# Altium PCB SpaceLiin_Satellite_4U_Laser_Internal_External_V1.0.0.PcbDoc (part 2 of 2)
Units mm, origin at the board's own origin, x right, y up, seen from the top; angles counter-clockwise.
Board outline 82 x 80 mm, 4 copper layers (L1_TOP, L2_GND, L3_SIGNAL, L4_BOT), stack 1.584 mm thick; 227 components, 117 nets, 668 pads, 121 vias.
Unrouted connection lines stored in the file: 204.
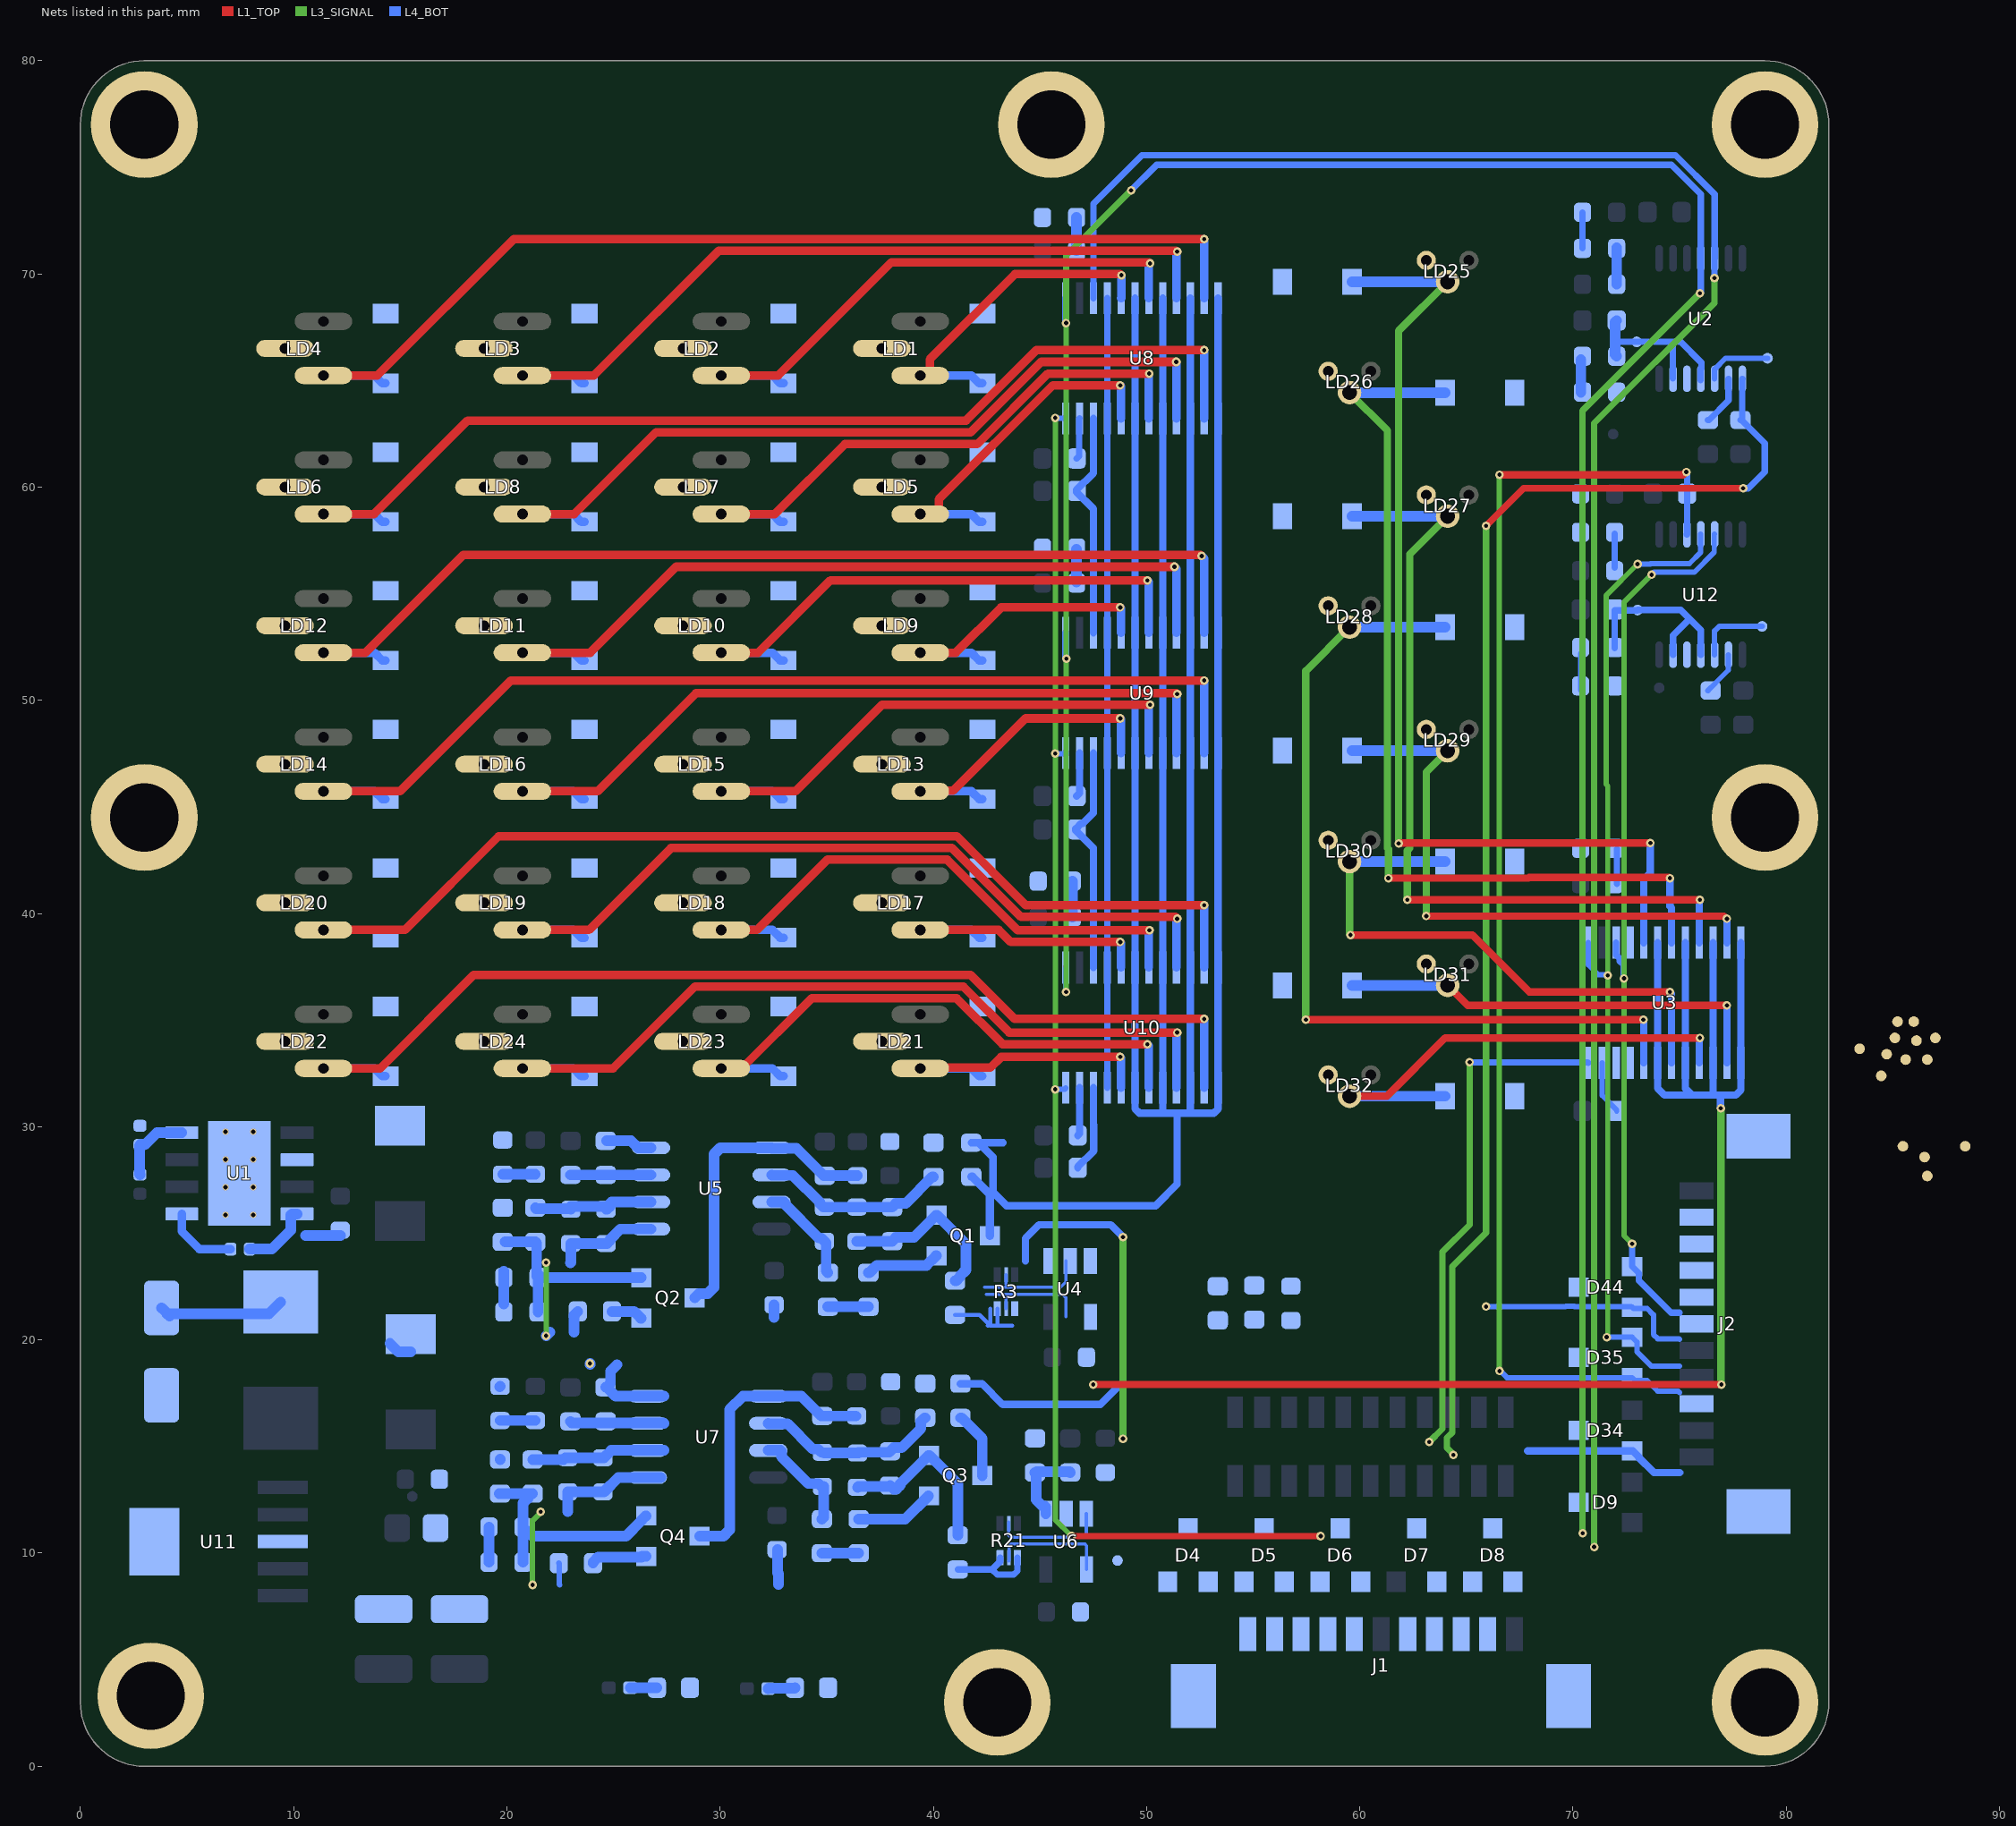
[diagram p3: the nets of this part, all layers, seen from the top]

## Via types
v1: diameter 0.4, hole 0.2, L1_TOP to L4_BOT, 121 vias

## Nets (pads, with @x,y where several pads share a name; then routed paths per layer and width w, separated by ;. In a path a pad name is that pad's centre, name@x,y a point inside that pad or via, vN(x,y) a via of type N, cw(c..) or ccw(c..) an arc to the next point about the centre after c; other vN are vias at no path point) (continued)
EXT_LASER_DAC_nCS: D35.2 J2.6 R45.2 U12.3 | length 62.8
  L1_TOP w0.35: v1(66.548,60.579) 75.17,60.579 75.297,60.706 v1(75.311,60.706)
  L3_SIGNAL w0.25: v1(66.548,18.542) v1(66.548,60.579)
  L4_BOT w0.25: v1(66.548,18.542) 66.589,18.542 66.904,18.227 D35.2@72.771,18.227 72.906,18.092 73.475,18.092 73.971,17.596 74.93,17.596 75,17.526
  L4_BOT w0.3: v1(75.311,60.706) 75.311,60.679 75.349,60.641 R45.2@75.349,59.563 ; U12.3@75.341,57.785 75.345,57.789 75.345,59.686 R45.2@75.349,59.69
EXT_LASER_DAC_nCS1: D34.2 J2.9 | length 7.5
  L4_BOT w0.35: 67.879,14.798 D34.2@72.771,14.798 ; D34.2@72.796,14.798 73.071,14.523 73.071,14.498 73.793,13.776 75,13.776
EXT_LASER_SPI_MISO: D44.2 J2.4 | length 10.3
  L4_BOT w0.25: v1(65.919,21.562) 69.654,21.562 69.662,21.57 70.056,21.57 70.064,21.562 72.738,21.562 72.827,21.473 73.475,21.473 73.774,21.174 73.774,20.25 73.971,20.053 74.973,20.053 75,20.026
EXT_LASER_SPI_MOSI: D44.1 J2.3 TP10.1 U3.3 U12.5 | length 42.5
  L3_SIGNAL w0.25: v1@72.39,36.93 72.39,24.892 v1(72.771,24.511) ; v1(72.39,36.957) 72.39,54.591 v1(73.687,55.889)
  L4_BOT w0.25: v1(73.687,55.889) 73.806,56.007 75.692,56.007 76.622,56.937 76.622,57.766 U12.5@76.641,57.785
  L4_BOT w0.3: U3.3@72.02,38.633 72.02,38.058 72.195,37.883 72.195,37.759 72.371,37.583 72.371,36.976 v1(72.39,36.957) ; v1(72.771,24.511) 72.771,23.448 73.09,23.129 73.09,22.787 74.35,21.527 74.35,21.526 74.6,21.276 75,21.276
EXT_LASER_SPI_SCK: D35.1 J2.5 TP11.1 U3.1 U12.4 | length 47.4
  L3_SIGNAL w0.25: v1(71.578,20.127) 71.607,20.156 71.607,20.262 71.628,20.283 v1(71.628,37.096) 71.628,45.981 71.545,46.064 71.545,54.908 v1(73.025,56.388)
  L4_BOT w0.25: U3.1@70.72,38.633 70.72,37.593 71.188,37.125 71.599,37.125 v1(71.628,37.096) ; v1(71.578,20.127) D35.1@72.771,20.127 72.997,19.901 72.997,19.448 73.67,18.776 75,18.776 ; v1(73.025,56.388) 73.621,56.388 73.64,56.407 75.457,56.407 75.991,56.941 U12.4@75.991,57.785
GND: C2.1 C3.2 C4.1 C5.2 C6.2 C7.1 C8.1 C10.1 C11.1 C12.1 C15.1 C16.1 C19.2 C23.1 C29.1 C30.1 C31.1 C32.1 C33.1 C34.1 C40.2 C43.1 C47.1 C48.1 C50.1 C52.1 C54.1 C56.1 C58.1 C61.1 C62.1 D1.2 D2.1 D3.1 D4.3 D5.3 D6.3 D7.3 D8.3 D9.3 D10.1 D11.1 D12.1 D13.1 D14.1 D15.1 D16.1 D17.1 D18.1 D19.1 D20.1 D21.1 D22.1 D23.1 D24.1 D25.1 D26.1 D27.1 D28.1 D29.1 D30.1 D31.1 D32.1 D33.1 D34.3 D35.3 D36.1 D37.1 D38.1 D39.1 D40.1 D41.1 D42.1 D43.1 D44.3 H1.1 H2.1 H3.1 H4.1 H5.1 H6.1 H7.1 H8.1 J1.2 J1.M1 J1.M2 J2.2 J2.M1 J2.M2 LD1.2 LD2.2 LD3.2 LD4.2 LD5.2 LD6.2 LD7.2 LD8.2 LD9.2 LD10.2 LD11.2 LD12.2 LD13.2 LD14.2 LD15.2 LD16.2 LD17.2 LD18.2 LD19.2 LD20.2 LD21.2 LD22.2 LD23.2 LD24.2 LD25.1 LD26.1 LD27.1 LD28.1 LD29.1 LD30.1 LD31.1 LD32.1 R4.1 R11.2 R18.1 R19.1 R23.1 R28.2 R33.1 R34.1 R37.1 TP15.1 TP18.1 TP19.1 U1.6 U1.9 U2.12 U3.4 U3.21 U4.2 U5.4 U6.2 U7.4 U8.4 U8.21 U9.4 U9.21 U10.4 U10.21 U11.3 U11.6 U12.12 | length 53.4
  L4_BOT w0.3: U10.21@48.159,31.826 U10.4@48.159,37.465 U9.21@48.159,47.523 U9.4@48.159,53.162 U8.21@48.159,63.221 U8.4@48.159,68.859 ; C30.1@70.447,71.199 C16.1@70.447,72.885
  L4_BOT w0.5: 10.56,24.892 C2.1@12.192,24.892 ; C5.2@14.516,19.834 14.916,19.434 C5.2@15.494,19.434 ; C48.1@19.164,9.569 C47.1@19.164,11.22 ; C15.1@19.674,17.807 C15.1@19.685,17.818 ; R37.1@19.685,14.389 R37.1@19.697,14.401 ; C32.1@19.863,21.685 C31.1@19.863,23.226 ; v1@23.901,18.84 v1(23.901,18.894) ; R33.1@24.634,17.776 R33.1@24.684,17.776 ; R18.1@24.688,29.337 25.827,29.337 26.157,29.007 U5.4@26.766,29.007 ; 25.171,18.84 24.859,18.529 24.859,17.951 R33.1@24.684,17.776 ; U7.4@27.366,17.357 25.103,17.357 R33.1@24.684,17.776 ; 32.533,21.047 C10.1@32.533,21.647 ; C33.1@32.692,10.168 32.692,9.073 32.737,9.028 32.737,8.524
I_LD_EXT: R35.1 U3.6 U3.8 U3.10 U3.12 U3.13 U3.15 U3.17 U3.19 | length 83.6
  L1_TOP w0.35: v1(47.498,17.907) v1(76.962,17.907)
  L3_SIGNAL w0.35: v1(76.931,30.861) 76.941,30.851 76.941,17.942 76.962,17.921 v1(76.962,17.907)
  L4_BOT w0.35: R35.1@41.275,17.945 42.283,17.945 43.257,16.97 47.831,16.97 48.768,17.907 ; U3.6@73.97,38.633 73.97,33.57 U3.19@73.97,32.995 73.97,31.806 74.291,31.485 75.576,31.485 ; U3.8@75.27,38.633 U3.17@75.27,32.995 75.27,31.791 75.576,31.485 ; U3.10@76.57,38.633 U3.15@76.57,32.995 76.57,31.495 76.58,31.485 ; v1@76.931,30.875 76.921,30.884 76.921,31.485 ; U3.12@77.87,38.633 U3.13@77.87,32.995 77.87,31.72 77.635,31.485 76.921,31.485 ; 75.576,31.485 76.58,31.485 ; 76.58,31.485 76.921,31.485
I_LD_INT: R20.1 U8.6 U8.8 U8.10 U8.12 U8.13 U8.15 U8.17 U8.19 U9.6 U9.8 U9.10 U9.12 U9.13 U9.15 U9.17 U9.19 U10.6 U10.8 U10.10 U10.12 U10.13 U10.15 U10.17 U10.19 | length 173.3
  L4_BOT w0.35: R20.1@41.783,29.248 43.269,29.248 ; R20.1@42.126,29.248 42.799,28.575 42.799,26.924 43.434,26.289 50.423,26.289 51.435,27.301 51.435,30.632 ; U8.6@49.459,68.859 49.459,68.284 U8.19@49.459,63.221 U9.19@49.459,47.523 U10.19@49.459,31.826 49.459,30.837 49.664,30.632 50.767,30.632 ; U8.8@50.759,68.859 U8.17@50.759,63.221 U9.8@50.759,53.162 U9.17@50.759,47.523 U10.8@50.759,37.465 U10.17@50.759,31.826 50.759,30.64 50.767,30.632 ; U8.10@52.059,68.859 U8.15@52.059,63.221 U9.10@52.059,53.162 U9.15@52.059,47.523 U10.10@52.059,37.465 U10.15@52.059,31.826 52.059,30.632 ; U8.12@53.359,68.859 U8.13@53.359,63.221 U9.12@53.359,53.162 U9.13@53.359,47.523 U10.12@53.359,37.465 U10.13@53.359,31.826 53.359,30.837 53.154,30.632 52.059,30.632 ; 50.767,30.632 51.435,30.632 ; 51.435,30.632 52.059,30.632
I_MO_EXT: D4.1 D4.2 J1.11
I_MO_INT: C19.1 D5.2 J1.10 R9.2
LATCH: D6.1 J1.7 R13.1 U2.8 | length 63.5
  L1_TOP w0.3: v1(65.919,58.182) 67.681,59.944 v1(77.978,59.944)
  L3_SIGNAL w0.3: v1(64.389,14.605) 64.389,14.632 64.086,14.935 64.086,15.405 64.331,15.65 64.331,23.437 65.919,25.025 v1(65.919,58.182)
  L4_BOT w0.3: U2.8@77.941,65.08 77.931,65.07 77.931,63.228 R13.1@77.851,63.148 77.901,63.148 78.994,62.055 78.994,60.706 78.232,59.944 v1(77.978,59.944)
MISO_LD: D8.2 J1.4 TP3.1
MOSI_LD: D8.1 J1.3 TP2.1 U2.5 U8.3 | length 101
  L3_SIGNAL w0.3: v1(70.993,10.287) 70.993,62.992 76.631,68.63 v1(76.631,69.8)
  L4_BOT w0.3: U8.3@47.509,68.859 47.509,73.29 49.784,75.565 74.803,75.565 76.641,73.727 U2.5@76.641,70.73 76.631,70.72 v1(76.631,69.8)
NetC1_1: C1.1 D1.1 L1.1 U1.8 | length 9.4
  L4_BOT w0.5: D1.1@3.81,21.499 D1.1@4.082,21.227 ; D1.1@4.064,21.227 D1.1@4.082,21.227 ; D1.1@4.191,21.118 D1.1@4.082,21.227 ; C1.1@7.943,24.257 8.978,24.257 9.872,25.151 9.872,25.858 9.922,25.908 U1.8@10.16,25.908 ; L1.1@9.398,21.775 8.85,21.227 D1.1@4.082,21.227
NetC1_2: C1.2 U1.1 | length 3.4
  L4_BOT w0.4: U1.1@4.76,25.908 4.76,25.085 5.588,24.257 C1.2@7.043,24.257
NetC9_1: C9.1 C12.2 | length 1.5
  L4_BOT w0.5: C12.2@19.812,27.775 C9.1@21.336,27.775
NetC13_1: C13.1 C18.2 R7.2 R19.2 U5.6 | length 8.9
  L4_BOT w0.5: U5.6@32.416,27.737 32.435,27.718 33.404,27.718 34.693,26.428 34.693,26.378 34.843,26.228 C13.1@36.467,26.228 ; C13.1@36.417,26.228 C13.1@36.467,26.228 ; R19.2@40.005,27.648 39.955,27.648 38.71,26.403 38.243,26.403 R7.2@38.068,26.228 C13.1@36.467,26.228
NetC13_2: C13.2 Q1.2 R6.1 R7.1 | length 8.1
  L4_BOT w0.5: C13.2@36.417,24.628 R7.1@38.068,24.628 38.243,24.803 39.088,24.803 40.127,25.842 Q1.2@40.152,25.842 40.177,25.842 41.529,24.49 41.529,23.279 41.246,22.996 41.246,22.946 41.071,22.771 R6.1@41.021,22.771
NetC14_1: C14.1 C15.2 | length 1.7
  L4_BOT w0.5: C15.2@19.685,16.218 19.724,16.218 C14.1@21.336,16.218
NetC17_1: C17.1 Q2.3 R10.1 U5.5 | length 14.8
  L4_BOT w0.5: Q2.3@28.809,21.971 29.009,22.171 29.425,22.171 29.718,22.464 29.718,28.714 30.011,29.007 U5.5@32.416,29.007 32.435,28.988 33.572,28.988 34.861,27.699 R10.1@34.911,27.699 C17.1@36.444,27.699
NetC18_1: C18.1 R15.2 U5.7 | length 4.8
  L4_BOT w0.5: U5.7@32.416,26.467 32.989,26.467 33.035,26.421 33.035,26.364 34.621,24.778 34.743,24.778 34.973,24.549 34.973,23.231 R15.2@35.052,23.152
NetC21_1: C21.1 C22.1 R22.2 U5.2 | length 5.7
  L4_BOT w0.5: R22.2@21.336,26.2 21.374,26.162 22.962,26.162 C22.1@22.999,26.124 ; C22.1@22.999,26.251 C21.1@24.65,26.251 ; C21.1@24.65,26.124 24.7,26.124 24.851,26.274 24.851,26.401 24.916,26.467 U5.2@26.766,26.467
NetC21_2: C21.2 C22.2 R17.2 U5.1 | length 9.6
  L3_SIGNAL w0.254: v1(21.844,20.193) v1(21.844,23.622)
  L4_BOT w0.5: v1(21.844,20.193) 22.012,20.361 ; 22.987,23.622 22.999,23.634 C22.2@22.999,24.524 C21.2@24.65,24.524 ; 23.155,20.361 23.155,21.161 R17.2@23.33,21.336 ; C21.2@24.7,24.524 24.851,24.674 24.851,24.724 25.324,25.197 U5.1@26.766,25.197
NetC25_1: C25.1 C29.2 | length 1.5
  L4_BOT w0.5: C29.2@70.368,64.451 C25.1@70.368,65.975
NetC26_1: C26.1 C30.2 | length 1.7
  L4_BOT w0.5: C26.1@72.047,69.512 C30.2@72.047,71.233
NetC31_2: C31.2 C32.2 Q2.2 R22.1 R23.2 | length 9.6
  L4_BOT w0.5: R23.2@19.912,24.6 R22.1@21.336,24.6 21.4,24.536 21.4,22.99 C31.2@21.463,22.927 C32.2@21.463,21.312 ; C31.2@21.538,23.002 21.613,22.927 23.365,22.927 23.37,22.921 Q2.2@26.309,22.921
NetC37_1: C37.1 C39.2 R25.2 R34.2 U7.6 | length 8.8
  L4_BOT w0.5: U7.6@32.26,16.087 32.279,16.068 33.163,16.068 34.353,14.878 34.594,14.878 C39.2@34.744,14.728 ; C39.2@34.882,14.69 36.495,14.69 C37.1@36.445,14.69 36.486,14.73 37.933,14.73 38.148,14.945 38.518,14.945 39.416,15.844 39.416,16.17 39.591,16.345 R34.2@39.624,16.345
NetC37_2: C37.2 Q3.2 R24.1 R25.1 | length 8.5
  L4_BOT w0.5: C37.2@36.445,13.09 36.486,13.13 37.933,13.13 R25.1@37.973,13.17 38.142,13.001 38.273,13.001 38.448,13.176 38.448,13.261 39.771,14.583 Q3.2@39.821,14.583 ; Q3.2@39.796,14.583 Q3.2@39.821,14.583 ; R24.1@41.148,10.833 41.148,13.256 Q3.2@39.821,14.583
NetC38_1: C38.1 Q4.3 R27.1 U7.5 | length 13.7
  L4_BOT w0.5: Q4.3@29.04,10.795 30.158,10.795 30.451,11.088 30.451,16.736 31.072,17.357 U7.5@32.26,17.357 33.817,17.357 R27.1@34.744,16.43 ; R27.1@34.794,16.43 C38.1@36.37,16.43
NetC39_1: C39.1 R30.2 U7.7 | length 4.9
  L4_BOT w0.5: U7.7@32.26,14.817 32.833,14.817 32.879,14.771 32.879,14.518 34.135,13.262 34.611,13.262 C39.1@34.744,13.128 ; R30.2@34.777,11.595 34.855,11.673 34.855,13.117 C39.1@34.844,13.128
NetC41_1: C41.1 C42.1 R36.2 U7.2 | length 6.3
  L4_BOT w0.5: R36.2@21.209,14.389 22.656,14.389 22.741,14.474 C41.1@24.507,14.474 ; C41.1@24.557,14.474 24.9,14.817 U7.2@27.366,14.817
NetC41_2: C41.2 C42.2 R32.2 U7.1 | length 10.1
  L3_SIGNAL w0.254: v1(21.209,8.509) 21.209,11.525 21.586,11.902 v1(21.586,11.942)
  L4_BOT w0.254: R32.2@22.441,9.525 22.46,9.506 22.46,8.528 22.479,8.509
  L4_BOT w0.5: 22.856,11.942 C42.2@22.856,12.874 C41.2@24.507,12.874 ; C41.2@24.557,12.874 25.23,13.547 U7.1@27.216,13.547
NetC47_2: C47.2 C48.2 Q4.2 R36.1 R37.2 | length 11.4
  L4_BOT w0.5: R37.2@19.635,12.789 20.993,12.789 R36.1@21.209,12.789 21.159,12.789 20.984,12.614 20.984,12.564 20.764,12.344 20.764,11.42 C47.2@20.764,11.22 ; C48.2@20.764,9.569 C47.2@20.764,11.22 ; Q4.2@26.54,11.745 26.515,11.745 26.315,11.545 26.315,11.52 25.59,10.795 21.207,10.795 20.981,11.02 20.914,11.02 20.764,11.17 C47.2@20.764,11.22
NetC49_1: C49.1 C50.2 | length 1.6
  L4_BOT w0.5: C49.1@46.722,71.09 C50.2@46.722,72.644
NetC51_1: C51.1 C52.2 | length 1.7
  L4_BOT w0.3: C51.1@72.051,41.38 C52.2@72.051,43.031
NetC53_1: C53.1 C54.2 | length 1.5
  L4_BOT w0.5: C53.1@46.722,55.549 C54.2@46.722,57.082
NetC55_1: C55.1 C56.2 | length 1.7
  L4_BOT w0.5: C55.1@46.52,39.836 C56.2@46.52,41.514
NetC59_1: C59.1 C61.2 | length 1.7
  L4_BOT w0.254: C61.2@70.355,50.472 C61.2@70.355,50.673 C59.1@70.355,52.197
NetC60_1: C60.1 C62.2 | length 1.6
  L4_BOT w0.3: C60.1@71.955,56.218 C62.2@71.955,57.821
NetD2_2: D2.2 R1.1 | length 1.3
  L4_BOT w0.5: R1.1@25.783,3.683 D2.2@27.038,3.683
NetD3_2: D3.2 R5.1 | length 1.3
  L4_BOT w0.5: R5.1@32.26,3.644 32.279,3.664 33.496,3.664 D3.2@33.515,3.683
NetD10_2: D10.2 LD1.1 U8.5 | length 15.9
  L1_TOP w0.4: LD1.1@39.39,65.23 39.649,65.23 39.834,65.415 39.834,65.996 43.828,69.99 48.768,69.99 v1(48.818,69.94)
  L4_BOT w0.4: LD1.1@39.39,65.23 41.784,65.23 42.149,64.865 D10.2@42.304,64.865 ; U8.5@48.809,68.859 48.818,68.868 v1(48.818,69.94)
NetD11_2: D11.2 LD2.1 U8.7 | length 27
  L1_TOP w0.4: LD2.1@30.06,65.23 32.718,65.23 38.028,70.54 50.115,70.54 v1(50.165,70.49)
  L4_BOT w0.4: LD2.1@30.06,65.23 32.454,65.23 32.819,64.865 D11.2@32.974,64.865 ; U8.7@50.109,68.859 50.109,70.434 v1(50.165,70.49)
NetD12_2: D12.2 LD3.1 U8.9 | length 38.4
  L1_TOP w0.4: LD3.1@20.73,65.23 24.082,65.23 29.942,71.09 51.385,71.09 v1(51.435,71.04)
  L4_BOT w0.4: LD3.1@20.73,65.23 23.124,65.23 23.489,64.865 D12.2@23.644,64.865 ; U8.9@51.409,68.859 51.409,71.014 v1(51.435,71.04)
NetD13_2: D13.2 LD4.1 U8.11 | length 49.8
  L1_TOP w0.4: LD4.1@11.4,65.23 13.922,65.23 20.332,71.64 52.693,71.64 v1(52.705,71.628)
  L4_BOT w0.4: LD4.1@11.4,65.23 13.794,65.23 14.159,64.865 D13.2@14.314,64.865 ; v1(52.705,71.628) 52.709,71.624 U8.11@52.709,68.859
NetD14_2: D14.2 LD5.1 U8.20 | length 16.8
  L1_TOP w0.4: LD5.1@39.39,58.73 40.073,58.73 40.258,58.915 40.258,59.427 45.602,64.771 v1(48.768,64.771)
  L4_BOT w0.4: LD5.1@39.39,58.73 41.784,58.73 42.149,58.365 D14.2@42.304,58.365 ; v1(48.768,64.771) 48.809,64.73 U8.20@48.809,63.221
NetD15_2: D15.2 LD6.1 U8.14 | length 50.8
  L1_TOP w0.4: LD6.1@11.4,58.73 13.772,58.73 18.162,63.12 41.53,63.12 44.831,66.421 v1(52.705,66.421)
  L4_BOT w0.4: LD6.1@11.4,58.73 13.794,58.73 14.159,58.365 D15.2@14.314,58.365 ; v1(52.705,66.421) 52.709,66.417 U8.14@52.709,63.221
NetD16_2: D16.2 LD7.1 U8.18 | length 28
  L1_TOP w0.4: LD7.1@30.06,58.73 32.568,58.73 35.858,62.02 42.073,62.02 45.374,65.321 v1(50.123,65.321)
  L4_BOT w0.4: LD7.1@30.06,58.73 32.454,58.73 32.819,58.365 D16.2@32.974,58.365 ; U8.18@50.109,63.221 50.109,65.307 v1(50.123,65.321)
NetD17_2: D17.2 LD8.1 U8.16 | length 39.3
  L1_TOP w0.4: LD8.1@20.73,58.73 23.161,58.73 27.001,62.57 41.758,62.57 45.059,65.871 v1(51.392,65.871)
  L4_BOT w0.4: LD8.1@20.73,58.73 23.124,58.73 23.489,58.365 D17.2@23.644,58.365 ; v1(51.392,65.871) 51.409,65.854 U8.16@51.409,63.221
NetD18_2: D18.2 LD9.1 U9.5 | length 14.5
  L1_TOP w0.4: LD9.1@39.39,52.23 41.054,52.23 43.18,54.356 v1(48.768,54.356)
  L4_BOT w0.4: LD9.1@39.39,52.23 41.784,52.23 42.149,51.865 D18.2@42.304,51.865 ; v1(48.768,54.356) 48.809,54.315 U9.5@48.809,53.162
NetD19_2: D19.2 LD10.1 U9.7 | length 26.9
  L1_TOP w0.4: LD10.1@30.06,52.23 31.783,52.23 35.179,55.626 v1(50.038,55.626)
  L4_BOT w0.4: LD10.1@30.06,52.23 32.454,52.23 32.819,51.865 D19.2@32.974,51.865 ; v1(50.038,55.626) 50.109,55.555 U9.7@50.109,53.162
NetD20_2: D20.2 LD11.1 U9.9 | length 38.5
  L1_TOP w0.4: LD11.1@20.73,52.23 23.909,52.23 27.94,56.261 v1(51.308,56.261)
  L4_BOT w0.4: LD11.1@20.73,52.23 23.124,52.23 23.489,51.865 D20.2@23.644,51.865 ; v1(51.308,56.261) 51.409,56.16 U9.9@51.409,53.162
NetD21_2: D21.2 LD12.1 U9.11 | length 49.8
  L1_TOP w0.4: LD12.1@11.4,52.23 13.368,52.23 17.949,56.811 52.542,56.811 v1(52.584,56.769)
  L4_BOT w0.4: LD12.1@11.4,52.23 13.794,52.23 14.159,51.865 D21.2@14.314,51.865 ; v1(52.584,56.769) 52.709,56.644 U9.11@52.709,53.162
NetD22_2: D22.2 LD13.1 U9.20 | length 15.5
  L1_TOP w0.4: LD13.1@39.39,45.73 39.415,45.755 40.929,45.755 44.323,49.149 v1(48.768,49.149)
  L4_BOT w0.4: LD13.1@39.39,45.73 41.784,45.73 42.149,45.365 D22.2@42.304,45.365 ; v1(48.768,49.149) 48.809,49.108 U9.20@48.809,47.523
NetD23_2: D23.2 LD14.1 U9.14 | length 49.9
  L1_TOP w0.4: LD14.1@11.4,45.73 14.996,45.73 20.193,50.927 v1(52.705,50.927)
  L4_BOT w0.4: LD14.1@11.4,45.73 13.794,45.73 14.159,45.365 D23.2@14.314,45.365 ; v1(52.705,50.927) 52.709,50.923 U9.14@52.709,47.523
NetD24_2: D24.2 LD15.1 U9.18 | length 27.1
  L1_TOP w0.4: LD15.1@30.06,45.73 33.538,45.73 37.592,49.784 v1(50.165,49.784)
  L4_BOT w0.4: LD15.1@30.06,45.73 32.454,45.73 32.819,45.365 D24.2@32.974,45.365 ; U9.18@50.109,47.523 50.109,49.728 v1(50.165,49.784)
NetD25_2: D25.2 LD16.1 U9.16 | length 38.5
  L1_TOP w0.4: LD16.1@20.73,45.73 24.267,45.73 28.871,50.334 51.393,50.334 v1(51.435,50.292)
  L4_BOT w0.4: LD16.1@20.73,45.73 23.124,45.73 23.489,45.365 D25.2@23.644,45.365 ; U9.16@51.409,47.523 51.409,50.266 v1(51.435,50.292)
NetD26_2: D26.2 LD17.1 U10.5 | length 13.9
  L1_TOP w0.4: LD17.1@39.39,39.23 43.066,39.23 43.634,38.662 v1(48.768,38.662)
  L4_BOT w0.4: LD17.1@39.39,39.23 41.784,39.23 42.149,38.865 D26.2@42.304,38.865 ; v1(48.768,38.662) 48.809,38.621 U10.5@48.809,37.465
NetD27_2: D27.2 LD18.1 U10.7 | length 27.6
  L1_TOP w0.4: LD18.1@30.06,39.23 31.737,39.23 35.027,42.52 40.651,42.52 43.959,39.212 v1(50.134,39.212)
  L4_BOT w0.4: LD18.1@30.06,39.23 32.454,39.23 32.819,38.865 D27.2@32.974,38.865 ; U10.7@50.109,37.465 50.109,39.187 v1(50.134,39.212)
NetD28_2: D28.2 LD19.1 U10.9 | length 39
  L1_TOP w0.4: LD19.1@20.73,39.23 23.863,39.23 27.703,43.07 40.878,43.07 44.112,39.836 51.35,39.836 v1(51.435,39.751)
  L4_BOT w0.4: LD19.1@20.73,39.23 23.124,39.23 23.489,38.865 D28.2@23.644,38.865 ; U10.9@51.409,37.465 51.409,39.725 v1(51.435,39.751)
NetD29_2: D29.2 LD20.1 U10.11 | length 47.4
  L1_TOP w0.4: LD20.1@11.4,39.23 15.227,39.23 19.617,43.62 41.106,43.62 44.34,40.386 v1(52.705,40.386)
  L4_BOT w0.4: v1(52.705,40.386) 52.709,40.382 U10.11@52.709,37.465
NetD30_2: D30.2 LD21.1 U10.20 | length 14.1
  L1_TOP w0.4: LD21.1@39.39,32.73 39.427,32.767 42.673,32.767 43.18,33.274 v1(48.768,33.274)
  L4_BOT w0.4: LD21.1@39.39,32.73 41.784,32.73 42.149,32.365 D30.2@42.304,32.365 ; v1(48.768,33.274) 48.809,33.233 U10.20@48.809,31.826
NetD31_2: D31.2 LD22.1 U10.14 | length 50.3
  L1_TOP w0.4: LD22.1@11.4,32.73 14.061,32.73 18.451,37.12 41.747,37.12 43.815,35.052 v1(52.705,35.052)
  L4_BOT w0.4: LD22.1@11.4,32.73 13.794,32.73 14.159,32.365 D31.2@14.314,32.365 ; v1(52.705,35.052) 52.705,31.83 U10.14@52.709,31.826
NetD32_2: D32.2 LD23.1 U10.18 | length 27.4
  L1_TOP w0.4: LD23.1@30.06,32.73 31.01,32.73 34.3,36.02 41.092,36.02 43.245,33.867 v1(50.038,33.867)
  L4_BOT w0.4: LD23.1@30.06,32.73 32.454,32.73 32.819,32.365 D32.2@32.974,32.365 ; v1(50.038,33.867) 50.109,33.796 U10.18@50.109,31.826
NetD33_2: D33.2 LD24.1 U10.16 | length 38.9
  L1_TOP w0.4: LD24.1@20.73,32.73 24.979,32.73 28.819,36.57 41.408,36.57 43.561,34.417 v1(51.435,34.417)
  L4_BOT w0.4: LD24.1@20.73,32.73 23.124,32.73 23.489,32.365 D33.2@23.644,32.365 ; U10.16@51.409,31.826 51.409,34.391 v1(51.435,34.417)
NetD36_2: D36.2 LD25.3 U3.5 | length 48.4
  L1_TOP w0.35: v1(61.82,43.285) 61.834,43.285 61.856,43.307 v1(73.627,43.307)
  L3_SIGNAL w0.35: v1(61.82,43.285) 61.82,67.33 LD25.3@64.12,69.63
  L4_BOT w0.35: U3.5@73.32,38.633 73.32,41.601 73.627,41.908 v1(73.627,43.307)
  L4_BOT w0.5: D36.2@59.64,69.63 LD25.3@64.12,69.63
NetD37_2: D37.2 LD26.3 U3.7 | length 44.3
  L1_TOP w0.35: v1(61.341,41.656) 67.911,41.656 67.945,41.69 74.501,41.69 74.535,41.656 v1(74.549,41.656)
  L3_SIGNAL w0.35: LD26.3@59.52,64.43 61.295,62.655 61.295,43.067 61.341,43.021 v1(61.341,41.656)
  L4_BOT w0.35: v1(74.549,41.656) 74.549,40.336 74.62,40.265 U3.7@74.62,38.633
  L4_BOT w0.5: LD26.3@59.52,64.43 D37.2@64,64.43
NetD38_2: D38.2 LD27.3 U3.9 | length 39
  L1_TOP w0.35: v1(62.23,40.64) v1(75.946,40.64)
  L3_SIGNAL w0.35: v1(62.23,40.64) 62.23,42.952 62.345,43.067 62.345,56.855 LD27.3@64.12,58.63
  L4_BOT w0.35: U3.9@75.92,38.633 75.92,40.6 75.946,40.626 v1(75.946,40.64)
  L4_BOT w0.5: D38.2@59.64,58.63 LD27.3@64.12,58.63
NetD39_2: D39.2 LD28.3 TP14.1 U3.20 | length 41.6
  L1_TOP w0.35: v1(57.472,35.018) v1(73.3,35.018)
  L3_SIGNAL w0.35: v1(57.472,35.018) 57.472,51.382 LD28.3@59.52,53.43
  L4_BOT w0.35: v1(73.3,35.018) 73.3,35.004 73.32,34.984 U3.20@73.32,32.995
  L4_BOT w0.5: LD28.3@59.52,53.43 D39.2@64,53.43
NetD40_2: D40.2 LD29.3 U3.11 | length 27.9
  L1_TOP w0.35: v1(63.119,39.878) 77.075,39.878 v1@77.202,39.751
  L3_SIGNAL w0.35: v1(63.119,39.878) 63.119,46.629 63.493,47.003 LD29.3@64.12,47.63
  L4_BOT w0.35: v1(77.216,39.751) 77.22,39.747 U3.11@77.22,38.633
  L4_BOT w0.5: D40.2@59.64,47.63 LD29.3@64.12,47.63
NetD41_2: D41.2 LD30.3 U3.18 | length 27.4
  L1_TOP w0.35: v1(59.563,38.989) 65.278,38.989 67.945,36.322 v1(74.549,36.322)
  L3_SIGNAL w0.35: LD30.3@59.52,42.43 59.52,39.046 59.563,39.003 v1(59.563,38.989)
  L4_BOT w0.35: v1(74.549,36.322) 74.549,36.308 74.62,36.237 U3.18@74.62,32.995
  L4_BOT w0.5: LD30.3@59.52,42.43 D41.2@64,42.43
NetD42_2: D42.2 LD31.3 U3.14 | length 20.7
  L1_TOP w0.35: LD31.3@64.12,36.63 65.063,35.687 v1(77.216,35.687)
  L4_BOT w0.35: v1(77.216,35.687) 77.22,35.683 U3.14@77.22,32.995
  L4_BOT w0.5: D42.2@59.64,36.63 LD31.3@64.12,36.63
NetD43_2: D43.2 LD32.3 U3.16 | length 23.2
  L1_TOP w0.35: LD32.3@59.52,31.43 61.275,31.43 64.008,34.163 v1(75.946,34.163)
  L4_BOT w0.35: U3.16@75.92,32.995 75.92,34.137 v1(75.946,34.163)
  L4_BOT w0.5: LD32.3@59.52,31.43 D43.2@64,31.43
NetQ1_1: Q1.1 R16.1 | length 3.5
  L4_BOT w0.5: R16.1@36.957,23.152 37.007,23.152 37.35,23.495 39.68,23.495 40.127,23.942 Q1.1@40.152,23.942
NetQ1_3: Q1.3 R20.2 | length 3.1
  L4_BOT w0.4: R20.2@41.783,27.648 41.833,27.648 42.652,26.829 Q1.3@42.652,24.892
NetQ2_1: Q2.1 R17.1 | length 1.5
  L4_BOT w0.5: R17.1@24.93,21.336 25.969,21.336 26.284,21.021 Q2.1@26.309,21.021
NetQ3_1: Q3.1 R31.1 | length 3.7
  L4_BOT w0.5: R31.1@36.503,11.595 38.682,11.595 Q3.1@39.771,12.683
NetQ3_3: Q3.3 R35.2 | length 3.2
  L4_BOT w0.5: R35.2@41.275,16.345 41.325,16.345 42.296,15.374 Q3.3@42.296,13.633
NetQ4_1: Q4.1 R32.1 | length 2.7
  L4_BOT w0.5: R32.1@24.041,9.525 24.041,9.575 24.278,9.812 26.315,9.812 26.348,9.845 Q4.1@26.54,9.845
NetR2_1: R2.1 R4.2 U1.4 | length 3.6
  L4_BOT w0.5: R2.1@2.794,27.755 2.776,27.773 2.776,29.119 2.826,29.169 3.044,29.169 3.593,29.718 U1.4@4.76,29.718
NetR3_2: R3.2 R6.2 | length 4.6
  L4_BOT w0.2: R6.2@41.021,21.171 42.161,21.171 42.669,20.663 42.964,20.663 ; 42.555,20.663 42.672,20.78 42.672,21.463 ; R3.2@43.006,21.463 43.006,20.705 42.964,20.663 ; 43.698,20.663 42.964,20.663
NetR3_3: R3.3 U4.3 | length 5.5
  L4_BOT w0.15: 42.413,22.473 45.968,22.473 46.223,22.728 46.223,23.702 ; R3.3@43.41,23.063 43.41,22.618 43.556,22.473
NetR3_4: R3.4 U4.4 | length 5.5
  L4_BOT w0.15: 42.48,22.141 46.058,22.141 46.228,21.971 46.228,21.082 ; R3.4@43.41,21.463 43.41,21.929 43.623,22.141
NetR9_1: R9.1 R11.1 U4.1 | length 15.6
  L3_SIGNAL w0.35: v1(48.895,15.367) v1(48.895,24.824)
  L4_BOT w0.35: 44.323,23.702 44.323,24.765 44.958,25.4 48.319,25.4 v1(48.895,24.824)
NetR12_1: R12.1 U2.9 | length 2.4
  L4_BOT w0.3: R12.1@76.327,63.148 76.377,63.148 77.291,64.062 U2.9@77.291,65.08
NetR14_1: R14.1 R18.2 U5.3 | length 3.8
  L4_BOT w0.5: R14.1@22.987,27.737 R18.2@24.638,27.737 U5.3@26.766,27.737
NetR15_1: R15.1 R16.2 | length 1.9
  L4_BOT w0.5: R15.1@35.052,21.552 R16.2@36.957,21.552
NetR21_2: R21.2 R24.2 | length 4.3
  L4_BOT w0.3: R24.2@41.148,9.233 42.759,9.233 ; R21.2@43.133,9.787 43.133,9.607 42.759,9.233 ; R21.2@43.942,9.787 43.942,9.163 43.766,8.987 43.005,8.987 42.759,9.233
NetR21_3: R21.3 U6.3 | length 5.3
  L4_BOT w0.15: R21.3@43.537,11.464 43.537,10.825 43.625,10.737 47.033,10.737 47.175,10.88 U6.3@47.175,11.851
NetR21_4: R21.4 U6.4 | length 5.5
  L4_BOT w0.15: R21.4@43.537,9.628 43.547,9.638 43.547,10.349 43.635,10.437 47.093,10.437 47.18,10.349 U6.4@47.18,9.231
NetR26_1: R26.1 R28.1 U6.1 | length 3.9
  L4_BOT w0.5: R28.1@44.769,13.782 R28.1@44.819,13.782 ; U6.1@45.275,11.851 45.275,12.151 45.215,12.211 45.112,12.211 44.819,12.504 R28.1@44.819,13.782 ; R26.1@46.42,13.782 46.393,13.809 44.846,13.809 R28.1@44.819,13.782
NetR29_1: R29.1 R33.2 U7.3 | length 4.4
  L4_BOT w0.5: R29.1@22.983,16.176 23.053,16.106 27.347,16.106 U7.3@27.366,16.087
NetR30_1: R30.1 R31.2 | length 1.7
  L4_BOT w0.5: R30.1@34.777,9.995 R31.2@36.503,9.995
NetR39_1: R39.1 U8.23 | length 1.9
  L4_BOT w0.3: R39.1@46.722,61.341 46.834,61.453 46.834,63.196 U8.23@46.859,63.221
NetR40_1: R40.1 U3.23 | length 2.5
  L4_BOT w0.25: U3.23@71.37,32.995 71.37,31.461 72.047,30.784 R40.1@72.047,30.734
NetR42_1: R42.1 U9.23 | length 2.1
  L4_BOT w0.35: R42.1@46.722,45.506 46.859,45.643 U9.23@46.859,47.523
NetR44_1: R44.1 U10.23 | length 2.3
  L4_BOT w0.35: R44.1@46.774,29.591 46.859,29.676 U10.23@46.859,31.826
NetR46_1: R46.1 U12.9 | length 2.1
  L4_BOT w0.254: R46.1@76.327,50.457 76.331,50.457 76.675,50.801 76.675,50.805 77.284,51.414 77.284,52.128 U12.9@77.291,52.135
NetTP8_1: TP8.1 U2.10 | length 3.1
  L4_BOT w0.25: U2.10@76.641,65.08 76.641,65.53 77.151,66.04 TP8.1@79.121,66.04
NetTP13_1: TP13.1 U3.22
NetTP21_1: TP21.1 U12.10 | length 3.4
  L4_BOT w0.254: U12.10@76.641,52.135 76.641,53.251 76.857,53.467 TP21.1@78.867,53.467
SCK_LD: D7.1 J1.5 TP4.1 U2.4 U8.1 U9.1 U10.1 | length 135.3
  L3_SIGNAL w0.254: v1(46.228,36.322) 46.23,36.324 46.23,51.948 v1@46.232,51.95 ; v1(46.228,67.691) 46.228,51.954 v1@46.232,51.95 ; v1(46.245,51.95) v1@46.232,51.95
  L3_SIGNAL w0.3: v1(46.228,67.691) 46.228,70.866 v1(49.276,73.914) ; v1(70.449,10.931) 70.449,63.591 v1(75.946,69.088)
  L4_BOT w0.254: U10.1@46.209,37.465 46.219,37.456 46.219,36.331 v1(46.228,36.322)
  L4_BOT w0.3: v1(49.276,73.914) 50.477,75.115 74.617,75.115 75.991,73.741 U2.4@75.991,70.74 ; v1(75.946,69.088) 75.991,69.133 U2.4@75.991,70.73
  L4_BOT w0.35: U9.1@46.209,53.162 46.209,51.987 46.232,51.964 46.232,51.95 v1(46.245,51.95) ; U8.1@46.209,68.859 46.209,67.71 v1(46.228,67.691)
SDO_1: R38.2 TP16.1 U8.22 U9.3 | length 10.7
  L4_BOT w0.35: R38.2@46.721,59.817 46.721,59.767 47.509,58.98 U9.3@47.509,53.162 ; R38.2@46.721,59.867 47.509,60.654 47.509,62.646 U8.22@47.509,63.221
SDO_2: R41.2 TP17.1 U9.22 U10.3 | length 10.8
  L4_BOT w0.35: U10.3@47.509,37.465 47.509,43.068 46.685,43.892 46.685,43.972 46.932,44.219 47.012,44.219 47.509,44.716 U9.22@47.509,47.523
SDO_3: R43.2 U10.22 | length 4.1
  L4_BOT w0.35: R43.2@46.774,28.067 46.774,28.117 47.524,28.867 47.524,30.076 47.509,30.091 U10.22@47.509,31.826
SW_EXT_CS: D5.1 J1.9 TP6.1 TP12.1 U3.24 | length 24.2
  L3_SIGNAL w0.3: v1(63.254,15.209) 63.881,15.837 63.881,24.13 65.151,25.4 v1(65.151,33.02)
  L4_BOT w0.3: v1(65.151,33.02) 70.695,33.02 U3.24@70.72,32.995
SW_INT_CS: D6.2 J1.8 TP5.1 U8.24 U9.24 U10.24 | length 66
  L1_TOP w0.3: v1(46.482,10.795) v1(58.166,10.795)
  L3_SIGNAL w0.25: v1(45.72,63.246) v1(45.72,47.498) v1(45.72,31.75) 45.72,11.557 v1(46.482,10.795)
  L4_BOT w0.25: v1(45.72,31.75) 46.159,31.75 46.209,31.8 U10.24@46.209,31.826 ; v1(45.72,47.498) U9.24@46.209,47.498 ; v1@45.745,63.221 U8.24@46.209,63.221
  L4_BOT w0.35: v1(45.72,63.246) v1@45.745,63.221 ; U9.24@46.209,47.498 U9.24@46.209,47.523
VREF_DAC_EXT: C59.2 FB2.1 TP22.1 U12.11 U12.13 | length 9.4
  L4_BOT w0.3: C59.2@71.955,52.451 FB2.1@71.955,54.216 ; FB2.1@71.955,54.2 FB2.1@71.955,54.216 ; TP22.1@73.012,54.216 FB2.1@71.955,54.216 ; TP22.1@73.031,54.235 75.051,54.235 75.466,53.82 ; U12.13@74.691,52.135 74.691,53.044 75.466,53.82 ; U12.11@75.991,52.135 75.991,53.295 75.466,53.82
VREF_DAC_INT: C25.2 FB1.1 TP9.1 U2.11 U2.13 | length 8.7
  L4_BOT w0.3: 71.968,66.812 74.676,66.812 ; U2.13@74.676,65.095 74.681,65.1 74.681,65.575 74.676,65.58 74.676,66.812 ; U2.11@75.981,65.024 75.981,65.534 76.016,65.569 U2.11@76.016,65.59 ; U2.11@76.017,65.591 76.017,65.842 75.047,66.812 74.676,66.812
  L4_BOT w0.5: C25.2@72.047,66.138 71.968,66.217 71.968,66.812 71.968,67.733 FB1.1@72.047,67.812
pads on no net: J2.8 J2.10 J3.01 J3.02 J3.03 J3.04 J3.05 J3.06 J3.07 J3.08 J3.09 J3.10 J3.11 J3.12 J3.13 J3.14 J3.15 J3.16 J3.17 J3.18 J3.19 J3.20 J3.21 J3.22 LD1.3 LD2.3 LD3.3 LD4.3 LD5.3 LD6.3 LD7.3 LD8.3 LD9.3 LD10.3 LD11.3 LD12.3 LD13.3 LD14.3 LD15.3 LD16.3 LD17.3 LD18.3 LD19.3 LD20.3 LD21.3 LD22.3 LD23.3 LD24.3 LD25.2 LD26.2 LD27.2 LD28.2 LD29.2 LD30.2 LD31.2 LD32.2 U1.2 U1.3 U1.5 U2.2 U2.6 U2.7 U12.2 U12.6 U12.7

## Keep-outs
Keep-Out Layer:
  lines w0.2: 82,77 ccw(c79,77) 79,80 3,80 ccw(c3,77) 0,77 0,3 ccw(c3,3) 3,0 79,0 ccw(c79,3) 82,3 82,77 ; 82,77 82,77

## Other copper
L1_TOP:
  region net GND: 80.5,12.5 81.5,12.5 81.5,76.96 ccw(c78.96,76.96) 78.96,79.5 3.04,79.5 ccw(c3.04,76.96) 0.5,76.96 0.5,12.04 1.5,12.04 1.5,77 cw(c3.25,76.75) 3,78.5 79,78.5 cw(c78.75,76.75) 80.5,77
  region net GND: 1.5,15 0.5,15 0.5,3.04 ccw(c3.04,3.04) 3.04,0.5 78.96,0.5 ccw(c78.96,3.04) 81.5,3.04 81.5,15 80.5,15 80.5,3 cw(c78.75,3.25) 79,1.5 3,1.5 cw(c3.25,3.25) 1.5,3
L4_BOT:
  region net GND: 80.5,12.5 81.5,12.5 81.5,76.96 ccw(c78.96,76.96) 78.96,79.5 3.04,79.5 ccw(c3.04,76.96) 0.5,76.96 0.5,12.04 1.5,12.04 1.5,77 cw(c3.25,76.75) 3,78.5 79,78.5 cw(c78.75,76.75) 80.5,77
  region net GND: 1.5,15 0.5,15 0.5,3.04 ccw(c3.04,3.04) 3.04,0.5 78.96,0.5 ccw(c78.96,3.04) 81.5,3.04 81.5,15 80.5,15 80.5,3 cw(c78.75,3.25) 79,1.5 3,1.5 cw(c3.25,3.25) 1.5,3

## Silkscreen, mask and mechanical layers (free items; w line width, h text height)
Bottom Courtyard:
  lines w0.2: 27.533,94.742 32.613,94.742 32.486,94.615 32.486,94.361 32.613,94.234 32.613,89.916 64.998,89.916 64.998,94.234 72.237,94.234 72.237,93.853 72.237,90.043 72.364,89.916 75.666,89.916 75.666,104.648 74.142,104.648 74.142,115.062 73.888,115.316 71.094,115.316 71.094,118.872 71.094,118.999 32.994,118.999 32.994,127.889 27.533,127.889 27.533,94.742